# KiCad board accurate2_eval.kicad_pcb (continued)
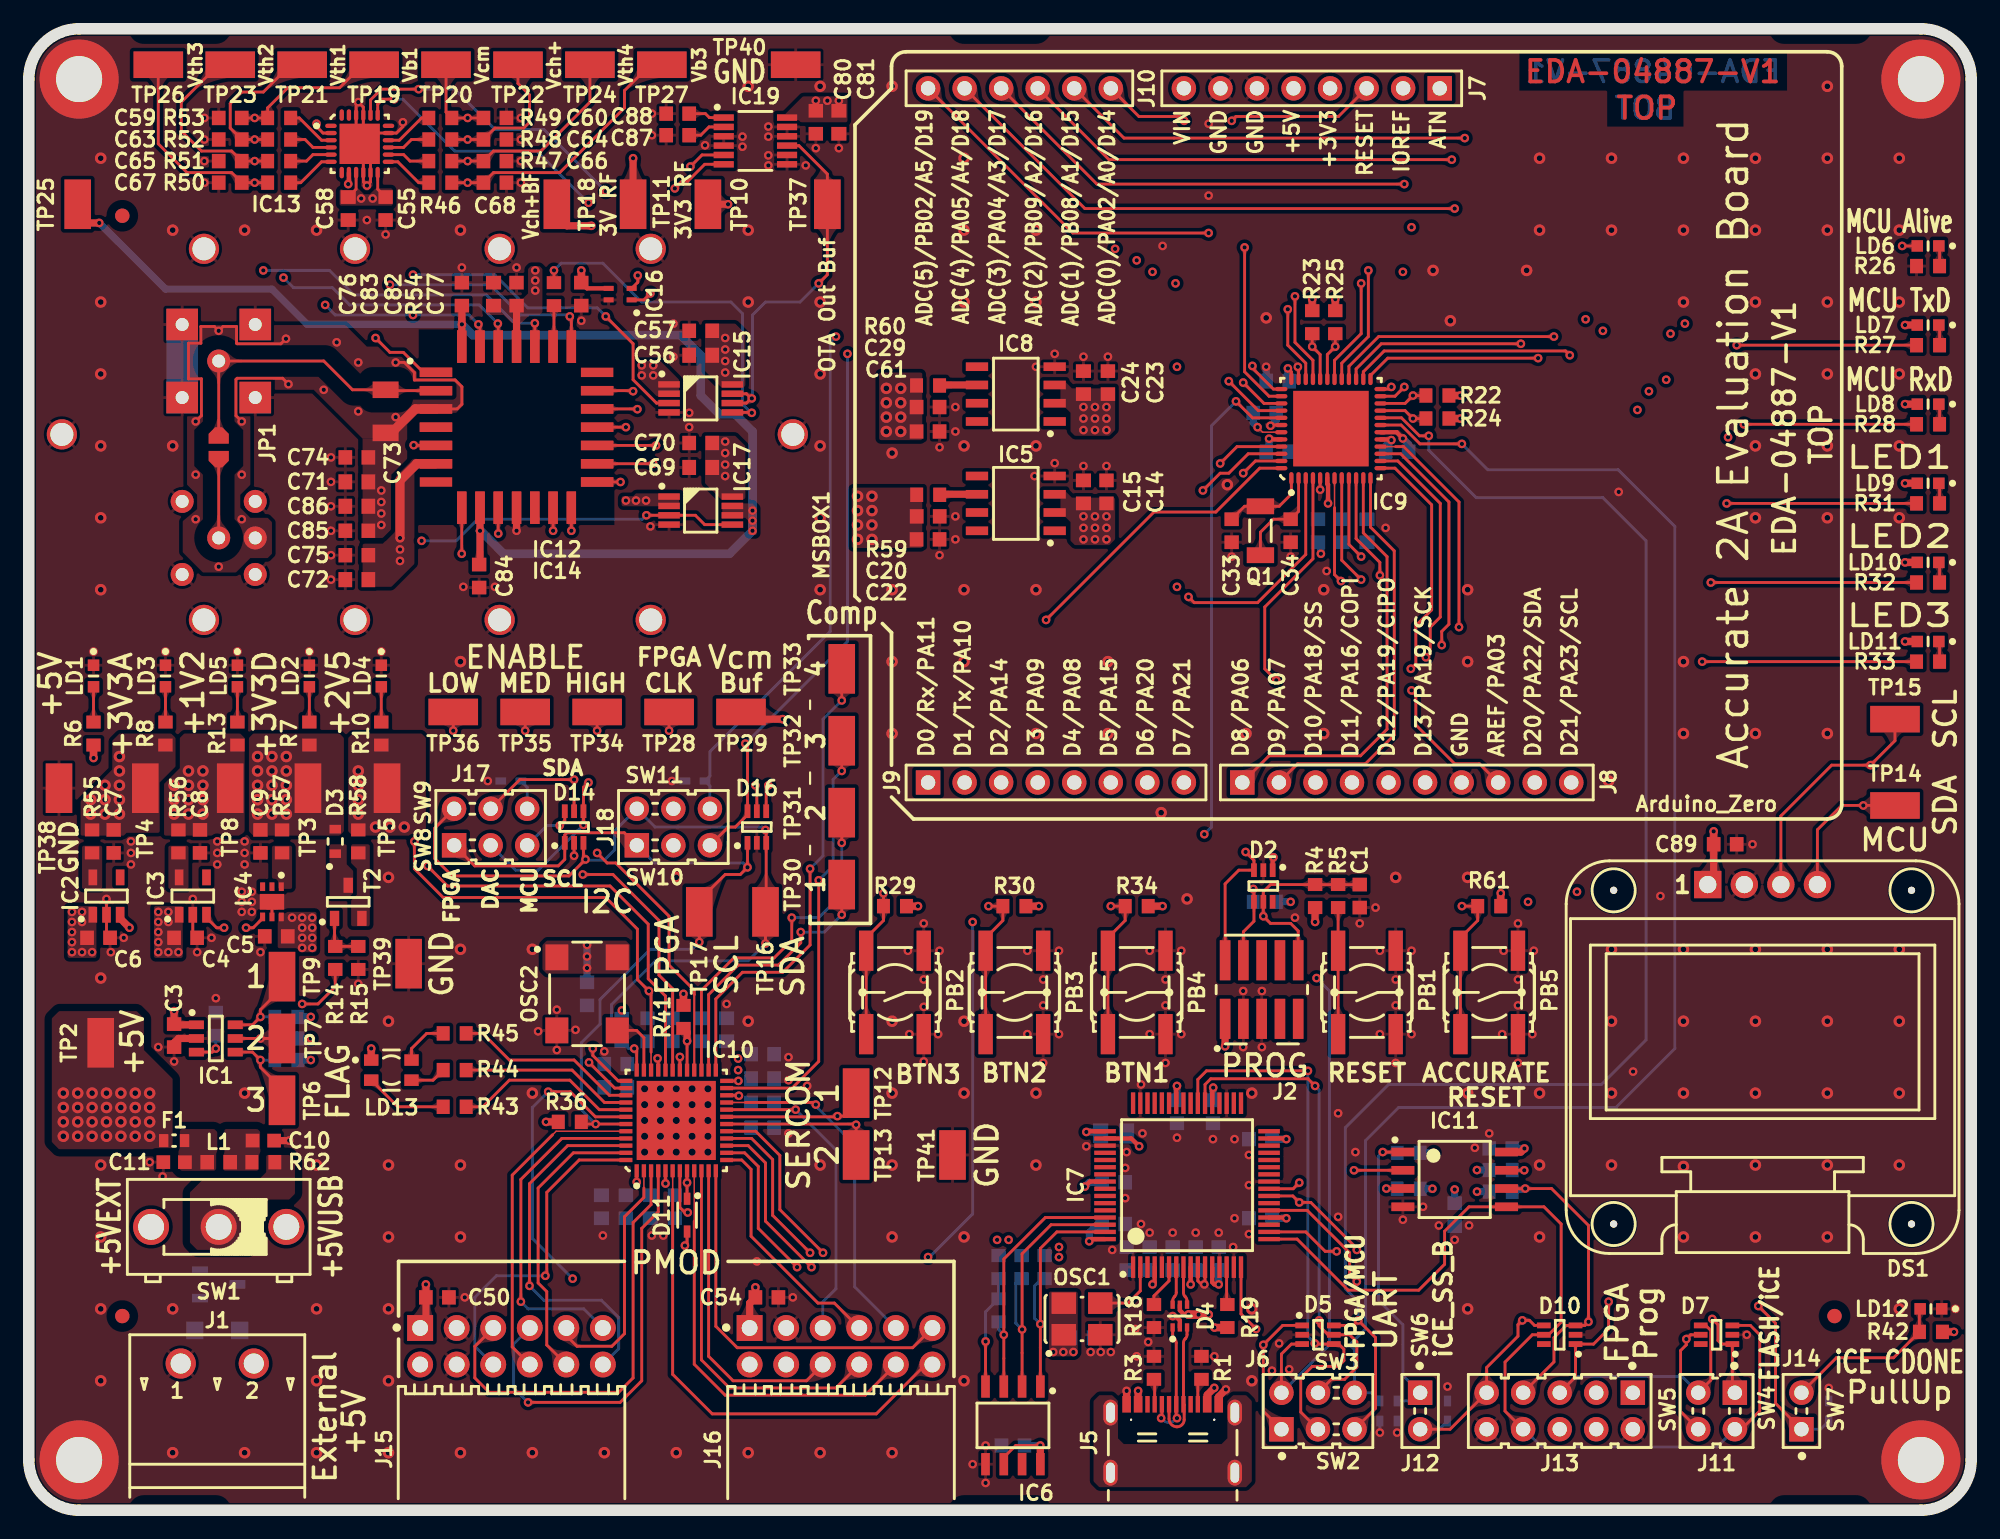
[diagram p0: board, top side]
## Footprints (pads in the part's own frame, mm; a bottom-side part is the same pattern mirrored in y, then rotated) (continued)
LED_LITEON_LTST-C193KGKT-5A
  rect 0.8x0.8 smd: 1(-0.75,0) 2(0.75,0)
LED_LITEON_LTST-C193KSKT-5A
  rect 0.8x0.8 smd: 1(-0.75,0) 2(0.75,0)
LEMO_EPK.00.250.NTN
  round 1.6 hole 0.9: 1(0,0)
  rect 2.2x2.2 hole 0.9: 2(-2.54,-2.54) 2(-2.54,2.54) 2(2.54,-2.54) 2(2.54,2.54)
  rect 2.2x3.6 smd: 2(2.54,0)
LEMO_EPL.00.650.NLN
  round 1.6 hole 0.9: 1(0,0) 2(-2.54,0) 3(-2.54,-2.54) 3(-2.54,2.54) 3(2.54,-2.54) 3(2.54,2.54)
MSBOX_PERANCEA_PFL2T
  round 2.1 hole 1.6: 1(0,25.4) 2(12.9,15.525) 3(12.9,5.025) 4(12.9,-5.025) 5(12.9,-15.525) 6(0,-25.4) 7(-12.9,-15.525) 8(-12.9,-5.025) 9(-12.9,5.025) 10(-12.9,15.525)
MTG250
  round 0.5 hole 2.5 unplated: (0,0)
MTG320_550
  round 5.5 hole 3.2: 1(0,0)
OSC_ABRACON_ASFL1
  rect 1.5x1.7 smd: 1(-1.1,1.27) 2(-1.1,-1.27) 3(1.1,-1.27) 4(1.1,1.27)
OSC_IQD_CFPS-73
  rect 1.6x1.8 smd: 1(-2.1,2.54) 2(-2.1,-2.54) 3(2.1,-2.54) 4(2.1,2.54)
PB_C&K_KSC321J
  rect 2.8x1 smd: 1(-2.9,2) 2(2.9,2) 3(-2.9,-2) 4(2.9,-2)
PHOENIX_1757242
  round 2.1 hole 1.4: 1(-2.54,0) 2(2.54,0)
QFN50P400X400X100-25N-S280
  rrect 0.8x0.3 smd: 1(-2,1.25) 2(-2,0.75) 3(-2,0.25) 4(-2,-0.25) 5(-2,-0.75) 6(-2,-1.25) 13(2,-1.25) 14(2,-0.75) 15(2,-0.25) 16(2,0.25) 17(2,0.75) 18(2,1.25)
  rrect 0.3x0.8 smd: 7(-1.25,-2) 8(-0.75,-2) 9(-0.25,-2) 10(0.25,-2) 11(0.75,-2) 12(1.25,-2) 19(1.25,2) 20(0.75,2) 21(0.25,2) 22(-0.25,2) 23(-0.75,2) 24(-1.25,2)
  rect 2.8x2.8 smd: 25(0,0)
QFN50P700X700X90-49N-S525
  rrect 0.85x0.3 smd: 1(-3.45,2.75) 2(-3.45,2.25) 3(-3.45,1.75) 4(-3.45,1.25) 5(-3.45,0.75) 6(-3.45,0.25) 7(-3.45,-0.25) 8(-3.45,-0.75) 9(-3.45,-1.25) 10(-3.45,-1.75) 11(-3.45,-2.25) 12(-3.45,-2.75) 25(3.45,-2.75) 26(3.45,-2.25) 27(3.45,-1.75) 28(3.45,-1.25) 29(3.45,-0.75) 30(3.45,-0.25) 31(3.45,0.25) 32(3.45,0.75) 33(3.45,1.25) 34(3.45,1.75) 35(3.45,2.25) 36(3.45,2.75)
  rrect 0.3x0.85 smd: 13(-2.75,-3.45) 14(-2.25,-3.45) 15(-1.75,-3.45) 16(-1.25,-3.45) 17(-0.75,-3.45) 18(-0.25,-3.45) 19(0.25,-3.45) 20(0.75,-3.45) 21(1.25,-3.45) 22(1.75,-3.45) 23(2.25,-3.45) 24(2.75,-3.45) 37(2.75,3.45) 38(2.25,3.45) 39(1.75,3.45) 40(1.25,3.45) 41(0.75,3.45) 42(0.25,3.45) 43(-0.25,3.45) 44(-0.75,3.45) 45(-1.25,3.45) 46(-1.75,3.45) 47(-2.25,3.45) 48(-2.75,3.45)
  rect 5.25x5.25 smd: 49(0,0)
QFN50P700X700X100-49N-S550
  rect 0.9x0.3 smd: 1(-3.5,2.75) 2(-3.5,2.25) 3(-3.5,1.75) 4(-3.5,1.25) 5(-3.5,0.75) 6(-3.5,0.25) 7(-3.5,-0.25) 8(-3.5,-0.75) 9(-3.5,-1.25) 10(-3.5,-1.75) 11(-3.5,-2.25) 12(-3.5,-2.75) 25(3.5,-2.75) 26(3.5,-2.25) 27(3.5,-1.75) 28(3.5,-1.25) 29(3.5,-0.75) 30(3.5,-0.25) 31(3.5,0.25) 32(3.5,0.75) 33(3.5,1.25) 34(3.5,1.75) 35(3.5,2.25) 36(3.5,2.75)
  rect 0.3x0.9 smd: 13(-2.75,-3.5) 14(-2.25,-3.5) 15(-1.75,-3.5) 16(-1.25,-3.5) 17(-0.75,-3.5) 18(-0.25,-3.5) 19(0.25,-3.5) 20(0.75,-3.5) 21(1.25,-3.5) 22(1.75,-3.5) 23(2.25,-3.5) 24(2.75,-3.5) 37(2.75,3.5) 38(2.25,3.5) 39(1.75,3.5) 40(1.25,3.5) 41(0.75,3.5) 42(0.25,3.5) 43(-0.25,3.5) 44(-0.75,3.5) 45(-1.25,3.5) 46(-1.75,3.5) 47(-2.25,3.5) 48(-2.75,3.5)
  rect 5.5x5.5 smd: 49(0,0)
QFP50P1200X1200X160-64N
  rect 1.5x0.3 smd: 1(-5.7,3.75) 2(-5.7,3.25) 3(-5.7,2.75) 4(-5.7,2.25) 5(-5.7,1.75) 6(-5.7,1.25) 7(-5.7,0.75) 8(-5.7,0.25) 9(-5.7,-0.25) 10(-5.7,-0.75) 11(-5.7,-1.25) 12(-5.7,-1.75) 13(-5.7,-2.25) 14(-5.7,-2.75) 15(-5.7,-3.25) 16(-5.7,-3.75) 33(5.7,-3.75) 34(5.7,-3.25) 35(5.7,-2.75) 36(5.7,-2.25) 37(5.7,-1.75) 38(5.7,-1.25) 39(5.7,-0.75) 40(5.7,-0.25) 41(5.7,0.25) 42(5.7,0.75) 43(5.7,1.25) 44(5.7,1.75) 45(5.7,2.25) 46(5.7,2.75) 47(5.7,3.25) 48(5.7,3.75)
  rect 0.3x1.5 smd: 17(-3.75,-5.7) 18(-3.25,-5.7) 19(-2.75,-5.7) 20(-2.25,-5.7) 21(-1.75,-5.7) 22(-1.25,-5.7) 23(-0.75,-5.7) 24(-0.25,-5.7) 25(0.25,-5.7) 26(0.75,-5.7) 27(1.25,-5.7) 28(1.75,-5.7) 29(2.25,-5.7) 30(2.75,-5.7) 31(3.25,-5.7) 32(3.75,-5.7) 49(3.75,5.7) 50(3.25,5.7) 51(2.75,5.7) 52(2.25,5.7) 53(1.75,5.7) 54(1.25,5.7) 55(0.75,5.7) 56(0.25,5.7) 57(-0.25,5.7) 58(-0.75,5.7) 59(-1.25,5.7) 60(-1.75,5.7) 61(-2.25,5.7) 62(-2.75,5.7) 63(-3.25,5.7) 64(-3.75,5.7)
RESC1608X55N
  rect 0.9x1 smd: 1(-0.8,0) 2(0.8,0)
SAMTEC_FTSH-105-01-L-DV-K
  rect 0.74x2.79 smd: 1(-2.554,-2.035) 2(-2.554,2.035) 3(-1.284,-2.035) 4(-1.284,2.035) 5(-0.014,-2.035) 6(-0.014,2.035) 7(1.256,-2.035) 8(1.256,2.035) 9(2.526,-2.035) 10(2.526,2.035)
SAMTEC_HTSW-101-23-L-D
  rect 1.7x1.7 hole 1: 1(0,-1.27)
  round 1.7 hole 1: 2(0,1.27)
SAMTEC_HTSW-102-23-L-D
  rect 1.7x1.7 hole 1: 1(-1.27,-1.27)
  round 1.7 hole 1: 2(-1.27,1.27) 3(1.27,-1.27) 4(1.27,1.27)
SAMTEC_HTSW-103-23-L-D
  rect 1.7x1.7 hole 1: 1(-2.54,-1.27)
  round 1.7 hole 1: 2(-2.54,1.27) 3(0,-1.27) 4(0,1.27) 5(2.54,-1.27) 6(2.54,1.27)
SAMTEC_HTSW-105-23-L-D
  rect 1.7x1.7 hole 1: 1(-5.08,-1.27)
  round 1.7 hole 1: 2(-5.08,1.27) 3(-2.54,-1.27) 4(-2.54,1.27) 5(0,-1.27) 6(0,1.27) 7(2.54,-1.27) 8(2.54,1.27) 9(5.08,-1.27) 10(5.08,1.27)
SAMTEC_SSW-106-01-L-S
  round 1.7 hole 1: 1(-6.35,0) 2(-3.81,0) 3(-1.27,0) 4(1.27,0) 5(3.81,0) 6(6.35,0)
SAMTEC_SSW-106-02-L-D-RA
  rect 1.8x1.8 hole 1.1: 1(6.35,-1.27)
  round 1.8 hole 1.1: 2(6.35,1.27) 3(3.81,-1.27) 4(3.81,1.27) 5(1.27,-1.27) 6(1.27,1.27) 7(-1.27,-1.27) 8(-1.27,1.27) 9(-3.81,-1.27) 10(-3.81,1.27) 11(-6.35,-1.27) 12(-6.35,1.27)
SAMTEC_SSW-108-01-G-S
  rect 1.7x1.7 hole 1: 1(-8.89,0)
  round 1.7 hole 1: 2(-6.35,0) 3(-3.81,0) 4(-1.27,0) 5(1.27,0) 6(3.81,0) 7(6.35,0) 8(8.89,0)
SAMTEC_SSW-110-01-X-S
  rect 1.7x1.7 hole 1: 1(-11.43,0)
  round 1.7 hole 1: 2(-8.89,0) 3(-6.35,0) 4(-3.81,0) 5(-1.27,0) 6(1.27,0) 7(3.81,0) 8(6.35,0) 9(8.89,0) 10(11.43,0)
SOD-523F
  rect 0.6x0.8 smd: 1(-0.85,0) 2(0.85,0)
SODFL1608X65N
  rect 0.75x0.5 smd: 1(-0.7,0) 2(0.7,0)
SODFL2512X100N
  rect 0.84x0.46 smd: 1(-1.14,0) 2(1.14,0)
SODFL3718X108N
  rect 1.2x1.22 smd: 1(-1.56,0) 2(1.56,0)
SOIC127P600X175-8N
  rect 1.55x0.6 smd: 1(-2.7,1.905) 2(-2.7,0.635) 3(-2.7,-0.635) 4(-2.7,-1.905) 5(2.7,-1.905) 6(2.7,-0.635) 7(2.7,0.635) 8(2.7,1.905)
SOIC127P790X216-8N
  rect 1.6x0.6 smd: 1(-3.6,1.905) 2(-3.6,0.635) 3(-3.6,-0.635) 4(-3.6,-1.905) 5(3.6,-1.905) 6(3.6,-0.635) 7(3.6,0.635) 8(3.6,1.905)
SON65P200X200X80-7N-R110X170
  rect 0.6x0.35 smd: 1(-1.05,0.65) 2(-1.05,0) 3(-1.05,-0.65) 4(1.05,-0.65) 5(1.05,0) 6(1.05,0.65)
  rect 1.1x1.7 smd: 7(0,0)
SON80P150X150X80-4N
  rect 0.7x0.35 smd: 1(-0.8,0.4) 2(-0.8,-0.4) 3(0.8,-0.4) 4(0.8,0.4)
SOP65P490X110-8N
  rect 1.5x0.45 smd: 1(-2.2,0.975) 2(-2.2,0.325) 3(-2.2,-0.325) 4(-2.2,-0.975) 5(2.2,-0.975) 6(2.2,-0.325) 7(2.2,0.325) 8(2.2,0.975)
SOP65P490X110-12N
  rect 1.4x0.45 smd: 1(-2.2,1.625) 2(-2.2,0.975) 3(-2.2,0.325) 4(-2.2,-0.325) 5(-2.2,-0.975) 6(-2.2,-1.625) 7(2.2,-1.625) 8(2.2,-0.975) 9(2.2,-0.325) 10(2.2,0.325) 11(2.2,0.975) 12(2.2,1.625)
SOT65P210X110-6N
  rect 0.95x0.4 smd: 1(-1.1,0.65) 2(-1.1,0) 3(-1.1,-0.65) 4(1.1,-0.65) 5(1.1,0) 6(1.1,0.65)
SOT95P240X130-3N
  rect 1.05x0.65 smd: 1(-1.15,0.95) 2(-1.15,-0.95) 3(1.15,0)
SOT95P280X145-5N
  rect 1.1x0.6 smd: 1(-1.3,0.95) 2(-1.3,0) 3(-1.3,-0.95) 4(1.3,-0.95) 5(1.3,0.95)
SOT95P280X145-6N
  rect 1.05x0.6 smd: 1(-1.35,0.95) 2(-1.35,0) 3(-1.35,-0.95) 4(1.35,-0.95) 5(1.35,0) 6(1.35,0.95)
SOT95P285X140-3N
  rect 1.1x0.6 smd: 1(-1.3,0.95) 2(-1.3,-0.95) 3(1.3,0)
SOTFL50P160X60-6N
  rect 0.57x0.3 smd: 1(-0.79,0.5) 2(-0.79,0) 3(-0.79,-0.5) 4(0.79,-0.5) 5(0.79,0) 6(0.79,0.5)
STELVIO-KONTEK_3131730000400
  round 0.9 smd: 1(0,0)
SW_NKK_MS12ANW03
  round 2.5 hole 1.8: 1(0,4.7) 2(0,0) 3(0,-4.7)
XTAL_ABRACON_ABS09
  rect 1.1x1.9 smd: 1(-1.7,0) 2(1.7,0)

## Nets
+1V2: C8.1 C90.1 C91.1 C92.1 C93.1 IC10.5 IC10.30 R13.1 R41.2 R56.2 TP8.1
+2V5: C44.1 C94.1 IC10.24 R10.1 R58.1 TP5.1
+3V3A: C7.1 C55.1 C56.1 C57.1 C58.1 C69.1 C70.1 C80.1 C81.1 IC13.2 IC13.9 IC13.12 IC15.8 IC17.8 IC19.12 R8.1 R55.2 TP4.1
+3V3D: C9.1 C12.1 C13.1 C16.2 C17.2 C18.1 C19.1 C28.1 C30.1 C31.1 C32.1 C35.1 C36.1 C37.1 C41.1 C42.1 C43.1 C47.1 C48.1 C49.1 C50.1 C51.1 C52.1 C53.1 C54.1 C77.1 C89.1 D2.1 D3.2 DS1.1 IC6.6 IC6.8 IC7.4 IC7.9 IC7.20 IC7.31 IC7.42 IC7.50 IC7.56 IC9.17 IC9.36 IC9.44 IC10.1 IC10.22 IC10.33 IC11.8 IC16.3 J2.1 J7.2 J7.4 J15.1 J15.2 J16.1 J16.2 L2.1 LD7.2 LD8.2 LD9.2 LD10.2 LD11.2 LD13.1 OSC1.1 OSC1.4 OSC2.1 OSC2.4 R2.1 R4.1 R7.1 R16.2 R19.1 R20.2 R21.2 R22.2 R23.2 R24.2 R25.2 R29.1 R30.1 R34.1 R35.2 R36.2 R37.2 R38.2 R39.2 R40.2 R42.1 R57.2 TP3.1
+5V: C3.1 C4.1 C5.1 C6.1 C14.1 C15.1 C23.1 C24.1 F1.2 IC1.1 IC2.1 IC2.3 IC3.1 IC4.6 IC5.2 IC5.3 IC8.2 IC8.3 J7.5 J7.8 R6.2 R9.1 R11.1 R12.1 TP2.1
+5VEXT: D1.1 J1.2 T1.3
+5VUSB: D4.5 J5.A4 J5.A9 SW1.1
/ACCURATE ASIC/3V3_REF: C20.1 C22.1 C82.1 C83.1 IC12.25 IC14.23 R59.2 R61.2 TP10.1
/ACCURATE ASIC/3V_REF: C29.1 C61.1 IC13.8 R60.2 TP11.1
/MCU/3V3D_Filtered: C38.1 C39.1 IC9.6 L2.2
GND: B1.1 B2.1 B3.1 B4.1 C1.2 C2.2 C3.2 C4.2 C5.2 C6.2 C7.2 C8.2 C9.2 C10.2 C11.2 C12.2 C13.2 C14.2 C15.2 C16.1 C17.1 C18.2 C19.2 C20.2 C21.2 C22.2 C23.2 C24.2 C25.2 C26.2 C27.2 C28.2 C29.2 C30.2 C31.2 C32.2 C33.1 C34.1 C35.2 C36.2 C37.2 C38.2 C39.2 C40.2 C41.2 C42.2 C43.2 C44.2 C45.2 C46.2 C47.2 C48.2 C49.2 C50.2 C51.2 C52.2 C53.2 C54.2 C55.2 C56.2 C57.2 C58.2 C59.2 C60.2 C61.2 C63.2 C64.2 C65.2 C66.2 C67.2 C68.2 C69.2 C70.2 C71.2 C72.2 C74.2 C75.2 C76.2 C77.2 C80.2 C81.2 C82.2 C83.2 C84.2 C85.2 C86.2 C87.2 C88.2 C89.2 C90.2 C91.2 C92.2 C93.2 C94.2 D1.2 D2.2 D4.2 D5.2 D6.2 D7.2 D8.2 D9.2 D10.2 D12.2 D14.2 D15.2 D16.2 D17.2 DS1.2 IC1.2 IC2.2 IC3.2 IC4.5 IC4.7 IC5.4 IC6.5 IC7.1 IC7.5 IC7.10 IC7.11 IC7.13 IC7.15 IC7.25 IC7.35 IC7.47 IC7.51 IC8.4 IC9.5 IC9.18 IC9.35 IC9.42 IC10.49 IC11.4 IC12.11 IC13.10 IC13.11 IC13.17 IC13.21 IC13.22 IC13.25 IC14.10 IC15.4 IC16.4 IC17.4 IC19.3 IC19.4 IC19.7 IC19.8 IC19.10 IC19.11 J1.1 J2.3 J2.5 J3.2 J4.3 J5.A1 J5.A12 J7.6 J7.7 J8.7 J13.2 J13.10 J15.3 J15.4 J16.3 J16.4 LD1.1 LD2.1 LD3.1 LD4.1 LD5.1 LD12.1 MSBOX1.1 MSBOX1.2 MSBOX1.3 MSBOX1.4 MSBOX1.5 MSBOX1.6 MSBOX1.7 MSBOX1.8 MSBOX1.9 MSBOX1.10 OSC1.2 OSC2.2 PB1.3 PB1.4 PB2.3 PB2.4 PB3.3 PB3.4 PB4.3 PB4.4 PB5.3 PB5.4 R1.2 R3.2 R15.2 R18.1 R26.2 T1.1 TP38.1 TP39.1 TP40.1 TP41.1
/ACCURATE ASIC/A1_Vbias1: C59.1 IC12.1 IC14.1 R53.2 TP19.1
/ACCURATE ASIC/A1_Vbias3: C68.1 IC12.10 IC14.9 R46.2 TP27.1
/ACCURATE ASIC/A1_Vcharge+: C64.1 IC15.3 R48.2 TP22.1
/ACCURATE ASIC/A1_Vcharge+_buf: C72.1 C75.1 IC12.6 IC14.6 IC15.1 IC15.2 TP18.1
/ACCURATE ASIC/A1_Vth1: C63.1 IC12.5 IC12.27 IC14.5 IC14.25 R52.2 TP21.1
/ACCURATE ASIC/A1_Vth2: C65.1 IC12.26 IC14.24 R51.2 TP23.1
/ACCURATE ASIC/A1_Vth3: C67.1 IC12.24 IC14.22 R50.2 TP26.1
/ACCURATE ASIC/A1_Vth4: C66.1 IC12.8 IC14.7 R47.2 TP24.1
/ACCURATE ASIC/ACCURATE_RESET: IC10.34 IC12.22 IC14.20 PB5.1 PB5.2 R61.1
/ACCURATE ASIC/ADC_SCL: D16.4 IC19.5 J18.3
/ACCURATE ASIC/ADC_SDA: D16.5 IC19.6 J18.4
/ACCURATE ASIC/Comp1: IC10.26 IC12.19 IC14.18 TP30.1
/ACCURATE ASIC/Comp2: IC10.27 IC12.18 IC14.17 TP31.1
/ACCURATE ASIC/Comp3: IC10.23 IC12.17 IC14.16 TP32.1
/ACCURATE ASIC/Comp4: IC10.25 IC12.16 IC14.15 TP33.1
/ACCURATE ASIC/DAC_SCL: D14.4 IC13.20 IC16.2 J17.3
/ACCURATE ASIC/DAC_SDA: D14.5 IC13.19 IC16.1 J17.4
/ACCURATE ASIC/Enable.High: IC10.28 IC12.15 IC14.14 TP34.1
/ACCURATE ASIC/Enable.Low: IC10.32 IC12.13 IC14.12 TP36.1
/ACCURATE ASIC/Enable.Medium: IC10.31 IC12.14 IC14.13 TP35.1
/ACCURATE ASIC/FPGA_CLK: IC10.37 IC12.20 IC14.19 TP28.1
/ACCURATE ASIC/FPGA_SCL: D14.1 D16.1 IC10.43 J17.1 J18.1 R36.1 SW8.1 SW10.1 TP17.1
/ACCURATE ASIC/FPGA_SDA: D14.3 D16.3 IC10.36 J17.2 J18.2 R35.1 SW9.1 SW11.1 TP16.1
/ACCURATE ASIC/MCU_SCL: D14.6 D16.6 DS1.3 IC9.32 J8.10 J17.5 J18.5 R23.1 TP15.1
/ACCURATE ASIC/MCU_SDA: D15.1 D17.1 DS1.4 IC9.31 J8.9 J17.6 J18.6 R25.1 TP14.1
/ACCURATE ASIC/NC_NetIC12-4: IC12.4 IC14.4
/ACCURATE ASIC/NC_NetIC12-12: IC12.12 IC14.11
/ACCURATE ASIC/OTA1_Out: IC12.23 IC14.21 R54.1
/ACCURATE ASIC/OTA_Out: IC15.5 R54.2
/ACCURATE ASIC/OTA_Out_Buf: IC15.6 IC15.7 IC19.9 TP37.1
/ACCURATE ASIC/Vcm: C60.1 IC17.3 IC17.5 R49.2 TP20.1
/ACCURATE ASIC/Vcmd: C76.1 C84.1 IC12.9 IC12.28 IC14.8 IC14.26 IC17.6 IC17.7 TP25.1
/Current_In: C73.2 IC12.2 IC14.2 J3.1 JP1.2
/FPGA/FPGA_PROG0: D10.3 IC7.16 IC10.15 IC11.6 J13.7 R40.1
/FPGA/FPGA_PROG1: D7.3 D10.5 IC7.17 IC11.5 J11.2 J13.8
/FPGA/FPGA_PROG2: D7.4 D10.1 IC7.18 IC11.2 J11.3 J13.5 SW5.1
/FPGA/FPGA_PROG4: D8.1 D10.4 IC7.21 IC10.16 J12.2 J13.9 SW6.1
/FPGA/FPGA_PROG6: D12.1 IC7.23 IC10.7 J14.1
/FPGA/FPGA_PROG7: D11.1 IC7.24 IC10.8
/FPGA/FPGA_RX: D5.1 IC10.42 J6.1
/FPGA/FPGA_TX: D5.3 IC10.38 J6.2
/FPGA/iCE_CDONE_PullUp: J14.2 LD12.2 R42.2 SW7.1
/FPGA/iCE_CLK: IC10.35 OSC2.3
/FPGA/iCE_MISO: D7.5 IC10.14 J11.4
/FPGA/iCE_MOSI: D7.1 IC10.17 J11.1 SW4.1
/FPGA/IOB_0: IC10.46 J15.12
/FPGA/IOB_2: IC10.47 J15.10
/FPGA/IOB_3: IC10.44 J15.8
/FPGA/IOB_4: IC10.48 J15.6
/FPGA/IOB_5: IC10.45 J15.11
/FPGA/IOB_6: IC10.2 J15.9
/FPGA/IOB_8: IC10.4 J15.7
/FPGA/IOB_9: IC10.3 J15.5
/FPGA/IOB_13: IC10.6 J16.12
/FPGA/IOB_16: IC10.9 J16.10
/FPGA/IOB_18: IC10.10 J16.8
/FPGA/IOB_20: IC10.11 J16.6
/FPGA/IOB_22: IC10.12 J16.11
/FPGA/IOB_23: IC10.21 J16.9
/FPGA/IOB_24: IC10.13 J16.7
/FPGA/IOB_25: IC10.20 J16.5
/FPGA/RGB0: IC10.41 R43.1
/FPGA/RGB1: IC10.40 R44.1
/FPGA/RGB2: IC10.39 R45.1
/FPGA/SERCOM1: IC9.21 IC10.19 R24.1 TP12.1
/FPGA/SERCOM2: IC9.22 IC10.18 R22.1 TP13.1
/MCU.SWCLK: D2.4 IC9.45 J2.4 R2.2
/MCU.SWDIO: D2.3 IC9.46 J2.2
/MCU/BTN1: IC9.41 PB4.1 PB4.2 R34.2
/MCU/BTN2: IC9.48 PB3.1 PB3.2 R30.2
/MCU/BTN3: IC9.37 PB2.1 PB2.2 R29.2
/MCU/LED1: IC9.33 R31.2
/MCU/LED2: IC9.34 R32.2
/MCU/LED3: IC9.39 R33.2
/MCU/MCU_Alive: IC9.38 LD6.2
/MCU/MCU_RxD: D5.6 IC9.20 J6.5 R28.2 SW2.1
/MCU/MCU_TxD: D6.1 IC9.19 J6.6 R27.2 SW3.1
/MCU/P.A2: IC9.3 J10.1
/MCU/P.A3: IC9.4 J8.8
/MCU/P.A4: IC9.9 J10.4
/MCU/P.A5: IC9.10 J10.5
/MCU/P.A6: IC9.11 J8.1
/MCU/P.A7: IC9.12 J8.2
/MCU/P.A8: IC9.13 J9.5
/MCU/P.A9: IC9.14 J9.4
/MCU/P.A10: IC9.15 J9.2
/MCU/P.A11: IC9.16 J9.1
/MCU/P.A14: IC9.23 J9.3
/MCU/P.A15: IC9.24 J9.6
/MCU/P.A16: IC9.25 J8.4
/MCU/P.A17: IC9.26 J8.6
/MCU/P.A18: IC9.27 J8.3
/MCU/P.A19: IC9.28 J8.5
/MCU/P.A20: IC9.29 J9.7
/MCU/P.A21: IC9.30 J9.8
/MCU/P.B2: IC9.47 J10.6
/MCU/P.B8: IC9.7 J10.2
/MCU/P.B9: IC9.8 J10.3
/Power Supply/FLAG1: IC1.6 IC3.3 R12.2 TP9.1
/Power Supply/FLAG2: IC1.5 IC4.4 R11.2 TP7.1
/Power Supply/FLAG3: IC1.4 R9.2 R14.1 TP6.1
/Power Supply/FLAG3_2V: R14.2 R15.1 T2.1
/Power Supply/RxD: D5.4 IC7.39 J6.3
/Power Supply/TxD: D5.5 IC7.38 J6.4
/Power Supply/USB_CONN_N: D4.1 J5.A7 J5.B7
/Power Supply/USB_CONN_P: D4.3 J5.A6 J5.B6
/Power Supply/USB_N: D4.6 IC7.7
/Power Supply/USB_P: D4.4 IC7.8
/RESET: C1.1 D2.5 D11.2 IC9.40 J2.10 J7.3 R4.2 R5.1
/Vcm_Buf: C71.1 C73.1 C74.1 C85.1 C86.1 IC12.3 IC14.3 IC17.1 IC17.2 J4.2 TP29.1
Net-(C10-Pad1): C10.1 L1.1 R62.2
Net-(C11-Pad1): C11.1 F1.1 L1.2
Net-(D3-C): D3.1 T2.3
Net-(D9-C): D9.1 IC11.1 J12.1 R39.1
Net-(IC1-EN): C2.1 IC1.3
Net-(IC2-VOUT): IC2.5 R55.1
Net-(IC3-VOUT): IC3.5 R56.1
Net-(IC4-OUT): IC4.1 R57.1
Net-(IC5-OUT): IC5.6 R59.1
Net-(IC6-CLK): IC6.2 IC7.62 R20.1
Net-(IC6-CS): IC6.1 IC7.63 R21.1
Net-(IC6-DI): IC6.3 IC7.61 R17.2
Net-(IC6-DO): IC6.4 R16.1 R17.1
Net-(IC7-OSCI): IC7.2 OSC1.3
Net-(IC7-REF): IC7.6 R18.2
Net-(IC7-VREGOUT): C21.1 C25.1 C26.1 C27.1 IC7.12 IC7.37 IC7.49 IC7.64
Net-(IC7-~{RESET}): IC7.14 R19.2
Net-(IC8-OUT): IC8.6 R60.1
Net-(IC9A-PA00): C33.2 IC9.1 Q1.2
Net-(IC9A-PA01): C34.2 IC9.2 Q1.1
Net-(IC9B-VDDCORE): C40.1 IC9.43
Net-(IC10D-VCCPLL): C45.1 C46.1 IC10.29 R41.1
Net-(IC11-~{HOLD/}DQ3): IC11.7 R37.1
Net-(IC11-~{W/}DQ2): IC11.3 R38.1
Net-(IC13-VOUTA): IC13.3 R53.1
Net-(IC13-VOUTB): IC13.16 R49.1
Net-(IC13-VOUTC): IC13.4 R52.1
Net-(IC13-VOUTD): IC13.15 R48.1
Net-(IC13-VOUTE): IC13.5 R51.1
Net-(IC13-VOUTF): IC13.14 R47.1
Net-(IC13-VOUTG): IC13.6 R50.1
Net-(IC13-VOUTH): IC13.13 R46.1
Net-(IC19-COMP): C87.1 IC19.2
Net-(IC19-REFOUT): C88.1 IC19.1
Net-(J4-Pad1): J4.1 JP1.1
Net-(J5-CC1): J5.A5 R3.1
Net-(J5-CC2): J5.B5 R1.1
Net-(J5-SHIELD-PadSHIELD1): J5.SHIELD1 J5.SHIELD2 J5.SHIELD3 J5.SHIELD4
Net-(LD1-A): LD1.2 R6.1
Net-(LD2-A): LD2.2 R7.2
Net-(LD3-A): LD3.2 R8.2
Net-(LD4-A): LD4.2 R10.2
Net-(LD5-A): LD5.2 R13.2
Net-(LD6-C): LD6.1 R26.1
Net-(LD7-C): LD7.1 R27.1
Net-(LD8-C): LD8.1 R28.1
Net-(LD9-C): LD9.1 R31.1
Net-(LD10-C): LD10.1 R32.1
Net-(LD11-C): LD11.1 R33.1
Net-(LD13-CB): LD13.2 R43.2
Net-(LD13-CG): LD13.3 R44.2
Net-(LD13-CR): LD13.4 R45.2
Net-(PB1-Pad1): PB1.1 PB1.2 R5.2
Net-(SW1-C): R62.1 SW1.2
Net-(SW1-NO): SW1.3 T1.2
Net-(T2-S): R58.2 T2.2

Pads without a net: D2 6; D7 6; D10 6; FTG1 FTG2; FTG2 FTG2; FTG3 FTG2; FTG4 FTG2; FTG5 FTG2; FTG6 FTG2; IC2 4; IC3 4; IC4 2 3; IC5 1 5 7 8; IC6 7; IC7 3 19 22 26 27 28 29 30 32 33 34 36 40 41 43 44 45 46 48 52 53 54 55 57 58 59 60; IC8 1 5 7 8; IC9 49; IC12 7 21; IC13 1 7 18 23 24; IC14 D1 D2 D3 D4 D5 D6 D7 D8 D9 D10 D11 D12 D13 D14 D15 D16 D17 D18 D19 D20 D21 D22 D23 D24 D25 D26 L1 L2 L3 L4 L5 L6 L7 L8 L9 L10 L11 L12 L13 L14 L15 L16 L17 L18 L19 L20 L21 L22 L23 L24 L25 L26; J2 6 7 8 9; J5 A8 B8; J7 1; J13 1 3 4 6

## Via types
v1: diameter 0.6, hole 0.3, Top to Bottom, 619 vias
v2: diameter 0.8, hole 0.4, Top to Bottom, 248 vias
v3: diameter 1, hole 0.5, Top to Bottom, 25 vias

## Routing (per net, layer and track width the routed paths; a pad name or vN(x,y) marks a point on that pad's centre or on a via; arc(x,y) is an arc through that point)
+1V2: length 2.6
  Top w0.2: IC10.30 45.25,31.51 v1(45.25,31.52) ; IC10.5 44.25,22.72 v1(44.25,22.72)
  Top w0.5: v1(45.5,35.9) R41.2
  vias: v2(10.1,50.4) v2(10.1,49.4) v2(10.1,48.4) v2(11.1,51.4) v2(11.1,50.4) v2(11.1,49.4) v2(11.1,48.4) v2(12.1,51.4) v2(12.1,50.4) v2(12.1,49.4) v2(12.1,48.4)
+2V5: length 0.8
  Top w0.2: IC10.24 v1(49.32,29.85)
  vias: v1(49.3,31.4) v1(49.3,30.6) v2(22.9,51.4) v2(22.9,50.4) v2(22.9,49.4) v2(22.9,48.4) v2(24.1,47.5) v2(25.1,47.5) v2(26.1,47.5)
+3V3A: length 5.2
  Top w0.2: IC13.2 20.45,95.75 20,96.2 v1(20,96.4) ; C55.1 24.25,91.85 IC13.12 ; IC13.9 22.75,91.85 C58.1
  vias: v1(23.1,91.2) v1(23.9,91.2) v1(48.4,81.5) v1(48.4,80.7) v1(48.4,79.9) v1(48.4,79.1) v1(48.4,74.3) v1(48.4,73.5) v1(48.4,72.7) v1(48.4,71.9) v1(54.7,98) v1(55.5,98) v1(56.3,98) v2(4.3,49.4) v2(4.3,48.4) v2(5.3,50.4) v2(5.3,49.4) v2(5.3,48.4) v2(6.3,52.4) v2(6.3,51.4) v2(6.3,50.4) v2(6.3,49.4) v2(6.3,48.4)
+3V3D: length 70.2
  Top w0.2: v1(87.51,79.38) 87.75,79.14 IC9.36 ; v1(70.3,4.5) 68.59,4.5 67.77,3.68 IC6.6 ; v1(49.35,28.82) 49.32,28.85 IC10.22 ; IC10.1 42.25,22.82 v1(42.25,22.82) ; IC10.33 43.75,31.37 v1(43.7,31.42)
  Top w0.3: D2.1 86.45,45.35 v1(86.5,45.4) ; IC7.50 76.62,25.85 v1(77.17,25.3) ; v1(94.7,74.4) 94.65,74.45 IC9.17 ; v1(78.1,15.7) 78.25,15.85 IC7.4 ; IC7.56 73.75,22.85 v1(73.4,22.5) ; IC7.20 87.35,20.35 v1(87.4,20.3) ; IC9.44 86.25,74.45 v1(86.2,74.5) ; v1(79.8,29.5) 79.75,29.45 IC7.42 ; C77.1 38.8,84.95 IC16.3 ; IC7.9 v1(80.75,15.7) ; IC7.31 87.35,25.85 v1(87.4,25.8)
  Top w0.5: C77.1 v1(38.4,86.2) ; R24.2 v1(99.5,75.9) ; LD11.2 v1(130.4,60.4) ; R42.1 v1(133.8,12.4) ; R23.2 v1(89.2,84.2) ; IC6.8 70.31,4.5 v1(70.3,4.5) ; R34.1 v1(78.8,42) ; v1(103.95,25.15) 103.95,25.15 103.7,24.9 102.71,24.9 IC11.8 ; R36.2 v1(35.95,27) ; LD7.2 v1(130.4,82.4) ; R25.2 v1(90.8,84.2) ; v1(117.1,47.2) C89.1 117.1,43.91 DS1.1 ; v1(50.5,15.5) C54.1 50.1,14.4 J16.1 ; R30.1 v1(70.2,42) ; v1(83.15,32.25) J2.1 ; R29.1 v1(61.8,42) ; v1(27.6,15.7) C50.1 27.6,13.07 J15.1 ; LD9.2 v1(130.4,71.4) ; R22.2 v1(99.5,77.5) ; v1(82.4,12.7) R19.1 ; R4.1 v1(89.4,40.9) ; LD8.2 v1(130.4,76.9) ; LD13.1 v1(23.8,32.1) ; LD10.2 v1(130.4,65.9)
  Bottom w0.5: C37.1 86.2,73.8 v1(86.2,74.5) ; C28.1 73.7,22.8 v1(73.4,22.5) ; C35.1 87.51,78.59 v1(87.51,79.38) ; L2.1 89.8,67.1 v1(89.8,66.5) ; v1(100.65,22.15) R40.2 ; v1(41.22,34.75) 41.2,34.73 R35.2 ; v1(94.7,74.4) 94.3,74 C36.1 ; v1(97.55,22.35) R38.2 ; v1(38.8,39.3) v1(38.8,38.5) v1(38.8,37.7) C41.1 ; C30.1 v1(87.4,20.3) ; v1(103.95,25.15) C43.1 ; C42.1 v1(99.1,22.3) ; v1(70.3,4.5) C12.1 ; R2.1 v1(87.7,42.3) ; v1(97.65,24.85) R39.2 ; v1(100.65,23.65) R37.2 ; C31.1 v1(87.4,25.8) ; C32.1 v1(79.8,29.5)
  vias: v1(67.3,18.8) v1(68.1,18.8) v1(71.2,11) v1(71.6,18.3) v1(71.6,17.6) v1(71.9,11) v1(72.6,11) v2(15.9,52.4) v2(15.9,51.4) v2(15.9,50.4) v2(15.9,49.4) v2(15.9,48.4) v2(16.9,52.4) v2(16.9,51.4) v2(16.9,50.4) v2(16.9,49.4) v2(16.9,48.4) v2(17.9,52.4) v2(17.9,51.4) v2(17.9,50.4) v2(17.9,49.4) v2(17.9,48.4)
+5V: length 7.2
  Top w0.5: R6.2 v1(4.5,52.3) ; v1(7,40.5) 6.35,41.15 IC2.3 ; IC1.1 10.15,33.75 C3.1 v1(10.1,34.7)
  Bottom w0.5: R12.1 v1(19.6,34.3) ; R11.1 v1(19.6,32.8) ; R9.1 v1(19.6,31.3)
  vias: v1(3,41.6) v1(3,40.9) v1(3,40.2) v1(3,39.5) v1(3,38.8) v1(3.7,41.6) v1(3.7,40.9) v1(3.7,38.8) v1(4.4,38.8) v1(9,41.6) v1(9,40.9) v1(9,40.2) v1(9,39.5) v1(9,38.8) v1(9.7,41.6) v1(9.7,40.9) v1(9.7,38.8) v1(10.4,38.8) v1(18.3,41.2) v1(19,41.2) v1(19,40.5) v1(19,39.8) v1(19,39.1) v1(19.7,41.2) v1(19.7,40.5) v1(19.7,39.8) v1(19.7,39.1) v1(73.3,76.7) v1(73.3,75.9) v1(73.3,75.1) v1(73.3,69.1) v1(73.3,68.3) v1(73.3,67.5) v1(74.1,76.7) v1(74.1,75.9) v1(74.1,75.1) v1(74.1,69.1) v1(74.1,68.3) v1(74.1,67.5) v1(74.9,76.7) v1(74.9,75.9) v1(74.9,75.1) v1(74.9,69.1) v1(74.9,68.3) v1(74.9,67.5) v2(2.4,29) v2(2.4,28) v2(2.4,27) v2(2.4,26) v2(3.4,29) v2(3.4,28) v2(3.4,27) v2(3.4,26) v2(4.4,29) v2(4.4,28) v2(4.4,27) v2(4.4,26) v2(5.4,29) v2(5.4,28) v2(5.4,27) v2(5.4,26) v2(6.4,29) v2(6.4,28) v2(6.4,27) v2(6.4,26) v2(7.4,29) v2(7.4,28) v2(7.4,27) v2(7.4,26) v2(8.4,29) v2(8.4,28) v2(8.4,27) v2(8.4,26)
+5VUSB: length 4.8
  Top w0.3: D4.5 80,13.9 80.3,13.6 v1(80.6,13.6)
  Top w0.5: J5.A9 81.9,8.02 v1(82.39,8.51) ; J5.A4 v1(77.1,8.3)
  Top w0.6: v1(82,13.6) v1(81.3,13.6) v1(80.6,13.6)
/ACCURATE ASIC/3V3_REF: length 5.1
  Top w0.5: TP10.1 v1(48.6,90.8) ; IC12.25 C82.1 ; R61.2 v1(102.3,42.9)
  vias: v1(35.2,86.2) v1(35.2,85.5) v1(35.2,84.8) v2(57.6,70.5) v2(57.6,69.5) v2(57.6,68.5) v2(57.6,67.5) v2(58.6,70.5) v2(58.6,69.5) v2(58.6,68.5) v2(58.6,67.5)
/ACCURATE ASIC/3V_REF: length 4
  Top w0.3: IC13.8 22.25,92.25 v1(22.2,92.2)
  Top w0.5: TP11.1 v1(42,94)
  vias: v2(59.6,78) v2(59.6,77) v2(59.6,76) v2(59.6,75) v2(60.6,78) v2(60.6,77) v2(60.6,76) v2(60.6,75)
/MCU/3V3D_Filtered: length 1.8
  Top w0.3: v1(90.3,70) 90.3,71.3 90.25,71.35 IC9.6
GND: length 41.7
  Top w0.2: IC9.35 88.25,79.45 v1(88.2,79.5) ; IC9.42 86.35,75.45 v1(86.3,75.4) ; IC13.25 22.75,95.25 IC13.22 22.75,97.75 v1(22.9,97.9) 23.25,97.55 IC13.21 23.25,95.25 IC13.25 ; IC13.25 23.75,95.75 IC13.17 25.55,95.75 26,96.2 v1(26,96.5) ; IC13.25 23.75,94.25 IC13.11 23.75,92.35 v1(23.5,92.1) 23.25,92.35 IC13.10 23.25,94.75 IC13.25 ; IC4.5 IC4.7 ; v1(5.4,42.5) IC2.2 5.4,40.05 C6.2 ; IC9.5 v1(89.75,70.95) ; D14.2 v1(37.9,45.5) ; IC7.10 81.25,15.95 81.5,15.7 v1(81.7,15.7) 81.75,15.75 IC7.11 ; C4.2 11.4,40.1 IC3.2
  Top w0.3: IC9.18 95.06,74.95 v1(95.5,74.51) ; v1(79.5,13.5) 79.7,13.5 80,13.2 D4.2
  Top w0.5: C10.2 v1(18.1,25.7) ; IC1.2 10.4,32.8 10.1,32.5 C3.2 ; J5.A12 82.7,7.9 v1(83.2,8.4) ; v1(33.9,68.1) IC12.11 ; J5.A1 v1(76.3,8.3)
  Bottom w0.2: D6.2 v1(93.9,5.4)
  Bottom w0.5: C40.2 86.7,75.8 v1(86.3,75.4) ; C36.2 95.9,74.11 v1(95.5,74.51) ; C35.2 v1(86,79.5)
  vias: v1(4.5,59.7) v1(5.7,38.8) v1(6.6,39.8) v1(7.1,46.5) v1(7.1,45.7) v1(7.1,44.9) v1(8.4,24.2) v1(9,32.2) v1(9.3,23.2) v1(9.5,59.7) v1(10.1,31.2) v1(11.4,42.5) v1(11.7,38.8) v1(12.2,96.8) v1(12.2,95.3) v1(12.2,93.8) v1(12.2,92.3) v1(12.7,39.8) v1(13,35.6) v1(13.1,46.5) v1(13.1,45.7) v1(13.1,44.9) v1(14.5,59.7) v1(14.8,43) v1(14.8,42.3) v1(14.8,41.6) v1(15,46.5) v1(15,45.7) v1(15,44.9) v1(15.5,43) v1(15.5,42.3) v1(15.5,41.6) v1(16.1,38.8) v1(19.5,59.7) v1(21,73.2) v1(21,71.5) v1(21,69.8) v1(21,68.1) v1(21,66.4) v1(21,64.7) v1(22.9,36.6) v1(23.5,89.7) v1(24.5,59.7) v1(24.8,88.7) v1(30.1,86.4) v1(30.2,64.2) v1(30.3,14.8) v1(31.9,50.7) v1(32.4,64.2) v1(33.9,86.4) v1(34.2,96.8) v1(34.2,95.3) v1(34.2,93.8) v1(34.2,92.3) v1(35.4,33.3) v1(36.7,34.8) v1(36.7,32) v1(38,33.4) v1(38.4,82.7) v1(39.9,19.1) v1(40,31.9) v1(43.2,68.4) v1(43.3,97.1) v1(43.3,95.6) v1(43.3,19.1) v1(44.1,19.1) v1(44.7,50.7) v1(44.8,82.5) v1(44.8,80.2) v1(45.9,76.3) v1(45.9,75.3) v1(47,94.9) v1(48.5,35.2) v1(49.6,95.5) v1(49.6,94.8) v1(50.6,17.3) v1(51.4,96.2) v1(51.4,95.5) v1(51.4,94.2) v1(51.4,93.5) v1(52.8,31.5) v1(52.8,29.9) v1(52.8,26.2) v1(53.1,14.8) v1(54,93.5) v1(54.1,29.5) v1(54.7,94.7) v1(56.3,94.7) v1(61.1,38.9) v1(61.2,33.1) v1(62.2,40.8) v1(62.2,36.9) v1(62.2,35) v1(62.2,31.2) v1(63.2,33.1) v1(63.3,73.9) v1(63.3,66.4) v1(63.3,38.9) v1(64.4,76.7) v1(64.4,75) v1(64.4,69.1) v1(64.4,67.5) v1(65.6,3.2) v1(66.5,4.5) v1(66.5,1.9) v1(69.4,38.9) v1(69.4,33.1) v1(69.9,71.9) v1(70,79.5) v1(70.5,36.9) v1(70.5,35.1) v1(70.5,31.1) v1(71.3,80.4) v1(71.3,72.8) v1(71.6,38.9) v1(71.6,33.1) v1(73.3,80.2) v1(73.3,72.6) v1(73.5,25.3) v1(73.8,11) v1(74.5,11) v1(74.9,72.6) v1(75,80.2) v1(75.2,11) v1(75.3,18.1) v1(76.2,23.8) v1(76.2,21.7) v1(76.3,24.9) v1(76.9,12.6) v1(77,10.7) v1(77.3,29.6) v1(77.3,19.9) v1(77.4,26.2) v1(77.8,11.7) v1(77.9,38.9) v1(77.9,33.1) v1(77.9,19.3) v1(78.8,87.9) v1(79,36.9) v1(79,35.1) v1(79,31.1) v1(79.5,19.3) v1(79.8,25.9) v1(80.1,38.9) v1(80.1,33.1) v1(81.1,19.3) v1(82,96.4) v1(82,91.4) v1(82.3,25.8) v1(82.4,10.7) v1(82.7,19.3) v1(83.6,66.3) v1(83.7,18.3) v1(83.8,25.8) v1(83.8,20.3) v1(84.4,36.1) v1(84.4,32.2) v1(84.8,24.7) v1(84.8,22.6) v1(84.8,19.2) v1(85.7,36.1) v1(85.7,32.2) v1(86.4,9.7) v1(86.9,11.6) v1(87.6,9.8) v1(87.7,66.3) v1(88,41.2) v1(90.2,65.3) v1(91,27.6) v1(91,20.4) v1(92.2,24.9) v1(92.5,40.8) v1(93.6,41.9) v1(93.9,38.9) v1(93.9,33.1) v1(94.3,68.3) v1(95,36.9) v1(95,35.1) v1(95,31.1) v1(95.1,5.4) v1(95.5,20.2) v1(96.1,38.9) v1(96.1,33.1) v1(96.9,21.1) v1(98,19.8) v1(98.6,8.6) v1(99.1,18.8) v1(100.1,19.8) v1(100.5,25.2) v1(101.5,26.2) v1(102.4,33.1) v1(102.5,38.9) v1(103.5,40.8) v1(103.5,36.9) v1(103.5,35.1) v1(103.5,31.1) v1(104.5,33.1) v1(104.6,38.9) v1(110.5,70.8) v1(111.5,30.5) v1(113.4,42.7) v1(119.4,12.2) v1(119.8,46.3) v1(125.1,8.5) v1(133.9,14) v2(5,94) v2(5,84) v2(5,79) v2(5,74) v2(5,69) v2(5,64) v2(5,37) v2(5,24) v2(5,19) v2(5,14) v2(5,9) v2(10,89) v2(10,74) v2(10,14) v2(10,4) v2(15,89) v2(15,29) v2(15,4) v2(20,89) v2(20,24) v2(20,14) v2(20,9) v2(20,4) v2(25,44) v2(25,34) v2(25,24) v2(25,19) v2(25,14) v2(25,9) v2(25,4) v2(30,89) v2(30,59) v2(30,39) v2(30,24) v2(30,19) v2(30,4) v2(35,39) v2(35,29) v2(35,4) v2(40,4) v2(45,44) v2(45,4) v2(50,99) v2(50,89) v2(50,84) v2(50,34) v2(50,4) v2(55,99) v2(55,84) v2(55,79) v2(55,74) v2(55,69) v2(55,64) v2(55,24) v2(55,4) v2(60,99) v2(60,73.5) v2(60,64) v2(60,59) v2(60,54) v2(60,34) v2(60,29) v2(60,24) v2(60,19) v2(60,4) v2(65,94) v2(65,89) v2(65,84) v2(65,74) v2(65,64) v2(65,59) v2(65,34) v2(65,29) v2(65,19) v2(65,9) v2(70,89) v2(70,84) v2(70,74) v2(70,64) v2(70,54) v2(70,29) v2(70,24) v2(75,59) v2(75,54) v2(78.7,48.5) v2(80.5,42.5) v2(83.3,71.3) v2(84.6,54) v2(85,29) v2(85,14) v2(85,9) v2(86,82.9) v2(90,64) v2(90,54) v2(95,44) v2(97.6,86.2) v2(98.8,82.7) v2(100,64) v2(100,59) v2(100,44) v2(100,29) v2(100,14) v2(104.1,86.2) v2(105,94) v2(105,89) v2(105,29) v2(105,24) v2(105,19) v2(109.8,50.7) v2(110,94) v2(110,89) v2(110,39) v2(110,34) v2(110,29) v2(110,24) v2(115,94) v2(115,89) v2(115,84) v2(115,59) v2(115,54) v2(115,39) v2(115,34) v2(115,29) v2(115,23.9) v2(115,19) v2(120,94) v2(120,89) v2(120,84) v2(120,79) v2(120,74) v2(120,69) v2(120,54) v2(120,39) v2(120,34) v2(120,29) v2(120,24) v2(120,19) v2(125,99) v2(125,94) v2(125,89) v2(125,84) v2(125,79) v2(125,74) v2(125,69) v2(125,54) v2(125,39) v2(125,34) v2(125,29) v2(125,24) v2(125,19) v2(130,94) v2(130,89) v2(130,84) v2(130,79) v2(130,74) v2(130,69) v2(130,39) v2(130,34) v2(130,29) v2(130,24) v2(130,14) v3(42.8,29.3) v3(42.8,28.2) v3(42.8,27.1) v3(42.8,26) v3(42.8,24.9) v3(43.9,29.3) v3(43.9,28.2) v3(43.9,27.1) v3(43.9,26) v3(43.9,24.9) v3(45,29.3) v3(45,28.2) v3(45,27.1) v3(45,26) v3(45,24.9) v3(46.1,29.3) v3(46.1,28.2) v3(46.1,27.1) v3(46.1,26) v3(46.1,24.9) v3(47.2,29.3) v3(47.2,28.2) v3(47.2,27.1) v3(47.2,26) v3(47.2,24.9)
